# Altium PCB PCB2.PcbDoc (part 2 of 3) (continued)
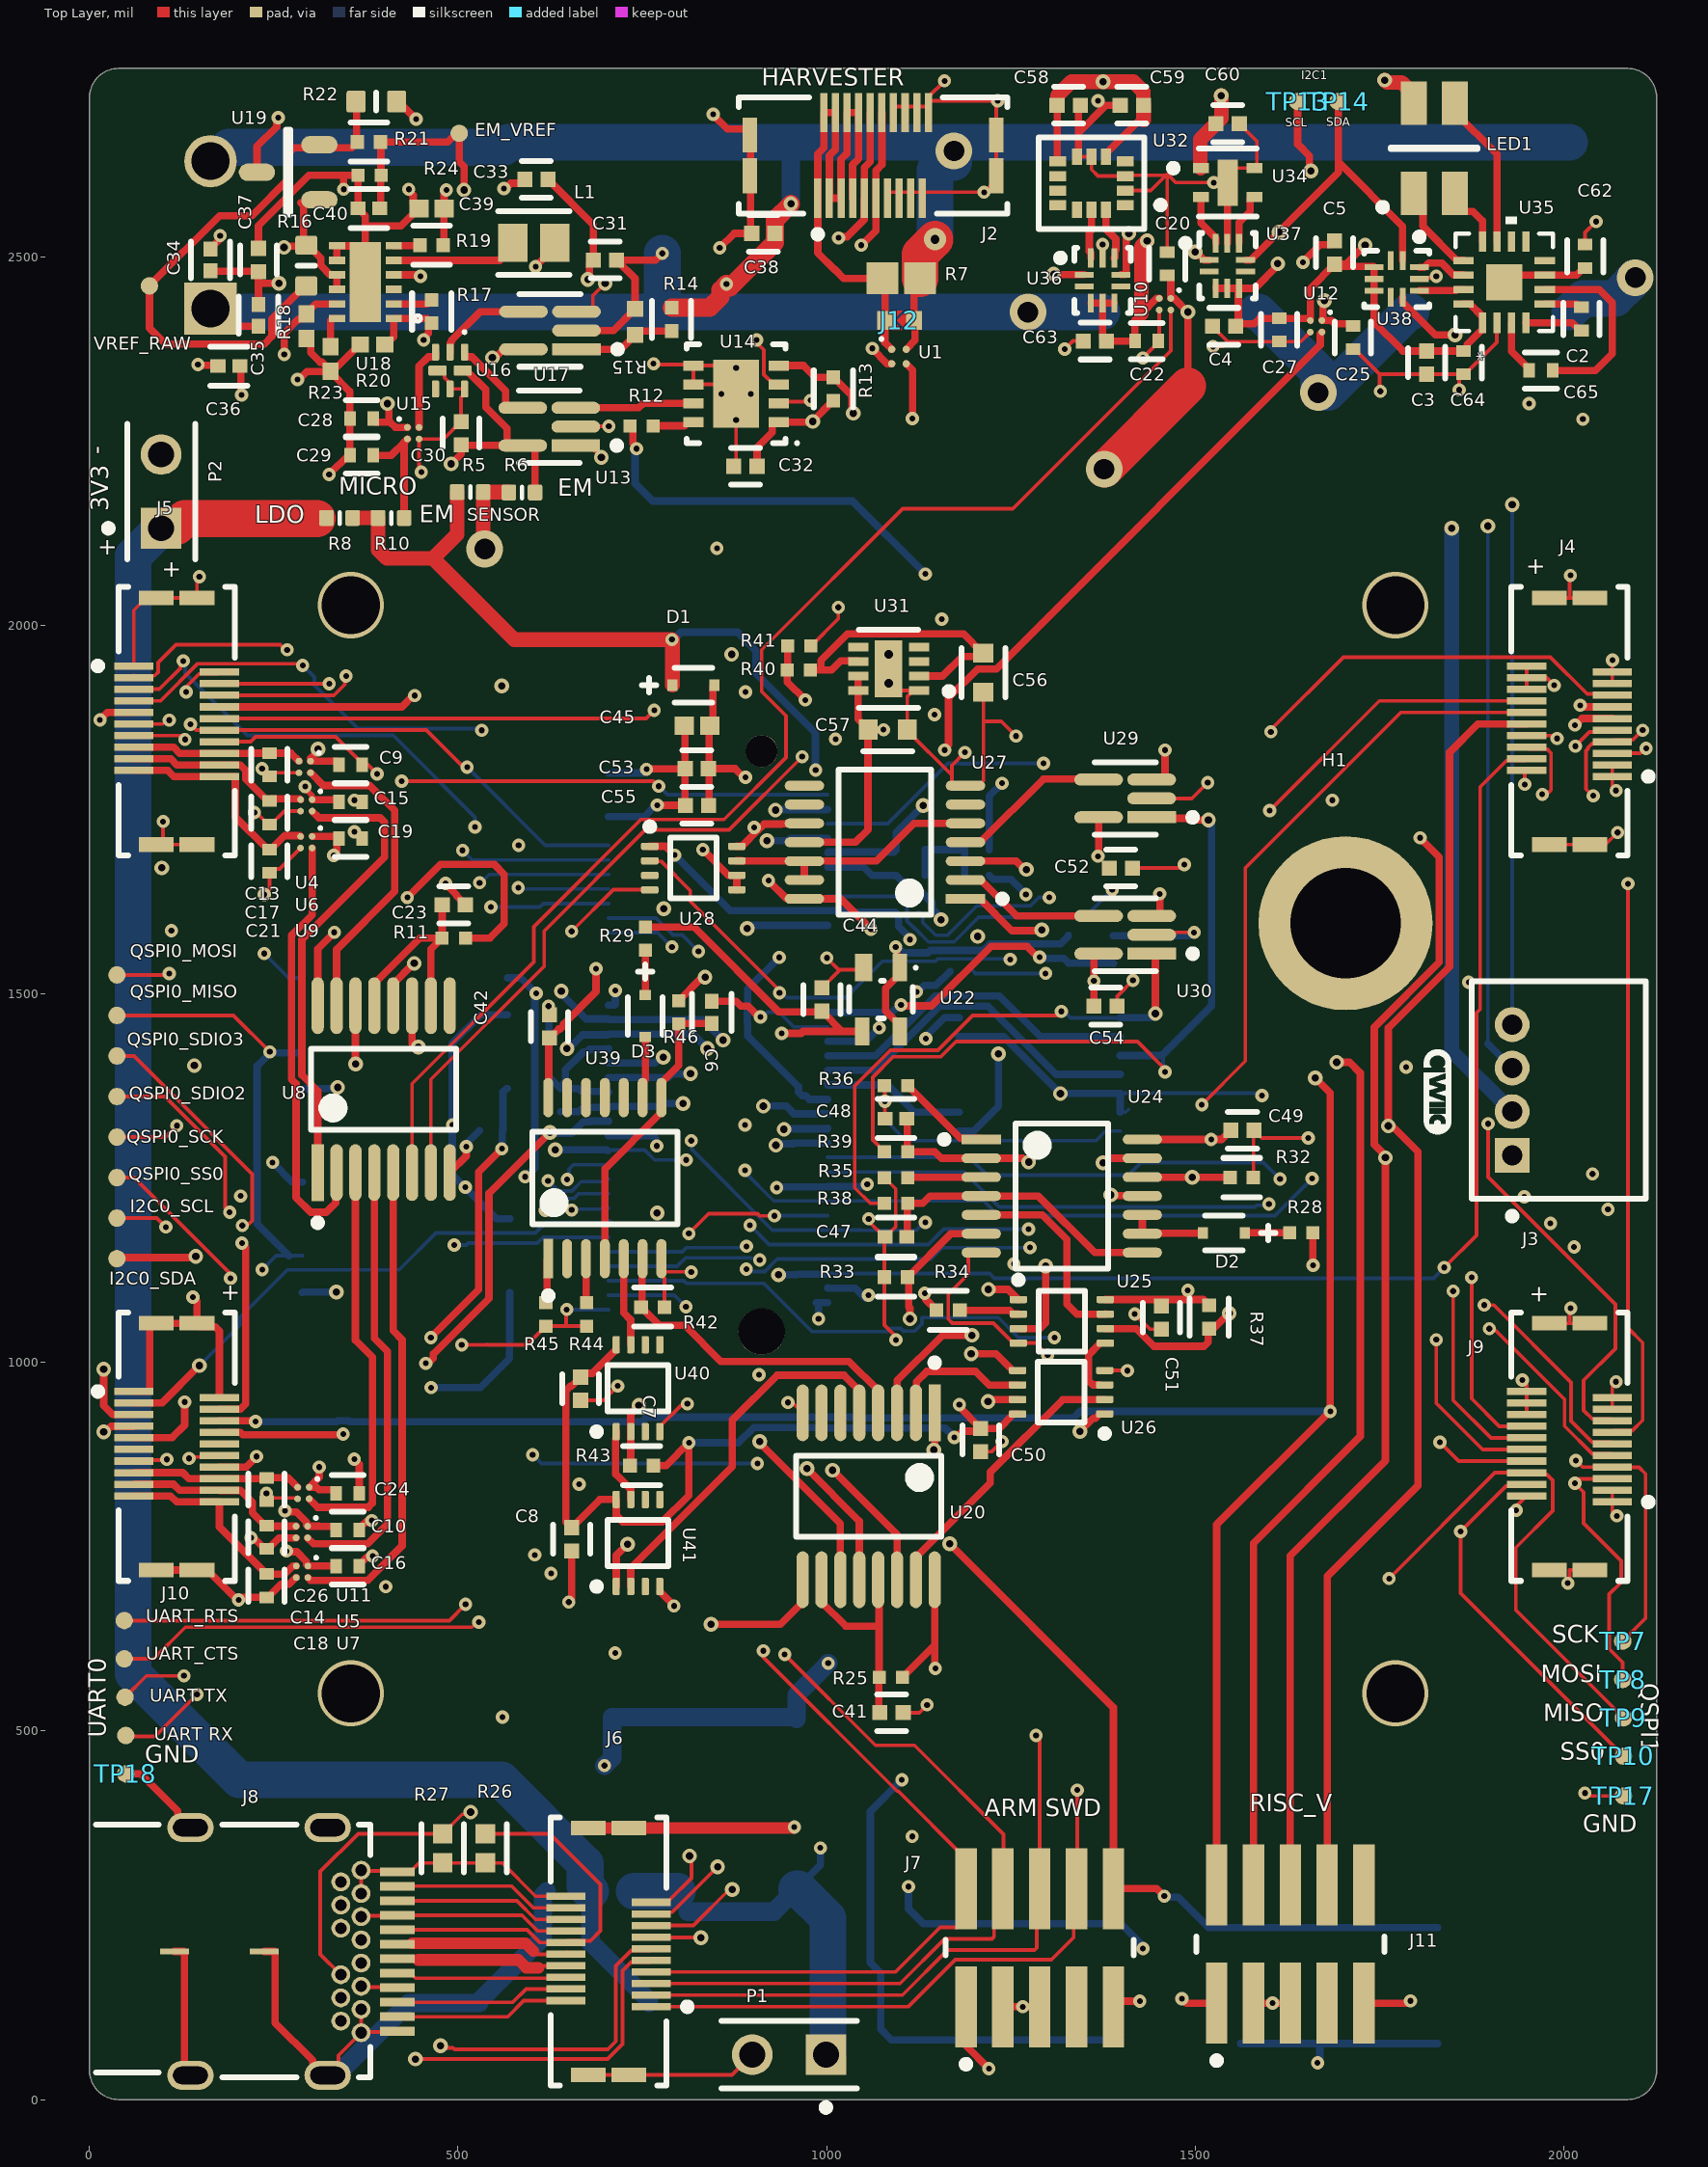
[diagram p0: Top Layer view]
## Nets (pads, with @x,y where several pads share a name; then routed paths per layer and width w, separated by ;. In a path a pad name is that pad's centre, name@x,y a point inside that pad or via, vN(x,y) a via of type N, cw(c..) or ccw(c..) an arc to the next point about the centre after c; other vN are vias at no path point) (continued)
  Top Layer w10: TP18.1@49.09,441.94 69.09,441.94 119.42,391.62 119.42,382.62 132.99,369.05 J8.Shell@136.85,369.05 ; J10.1@60.04,960.83 81.46,960.83 81.54,960.91 81.54,1048.31 86.38,1053.15 J10.21@145.67,1053.15 ; J10.24@90.55,718.5 J10.22@145.67,718.5 159.45,718.5 200.01,677.94 v1(202.09,677.94) 205.6,681.45 C18.1@240.09,681.45 242.06,681.45 259.56,698.94 270.74,698.94 280.07,708.28 U7.B2@280.44,708.28 ; J8.Shell@115.2,200.94 127.76,200.94 128.82,199.88 128.82,40.87 J8.Shell@136.85,32.83 ; v1(140.01,1088.81) 145.67,1083.15 J10.21@145.67,1053.15 ; J13.1@164.09,2429.94 188,2406.04 C35.2@229.09,2406.04 ; C34.2@164.09,2510.85 164.09,2511.69 175.56,2523.16 175.56,2527.41 v1(177.09,2528.94) ; J10.14@176.18,858.07 212.17,858.07 v1(226.58,872.48) ; J10.2@176.18,952.56 176.18,1042.45 170.32,1048.31 150.51,1048.31 J10.21@145.67,1053.15 ; C36.2@204,2351.94 205.09,2350.85 205.09,2314.04 v1(206.19,2312.94) ; v1(219.12,762.39) 220.65,760.86 224.46,760.86 238.13,747.2 C14.1@240.09,747.2 242.06,747.2 257.06,762.2 U5.B2@280.09,762.2 ; U19.3@227.09,2614.94 227.09,2649.94 254.09,2676.94 254.09,2686.94 v1(256.09,2688.94) ; C37.2@229.09,2511.69 229.09,2542.35 297.69,2610.94 344.74,2610.94 ; C35.2@229.2,2405.09 C35.2@233.4,2400.9 ; J8.Shell@237.24,200.94 250.87,200.94 251.93,199.88 251.93,103.98 302.64,53.27 302.64,49.4 319.21,32.83 J8.Shell@323.07,32.83 ; v1(239.93,822.68) 240.09,822.52 C26.1@240.09,812.2 ; v1(282.09,2333.94) 284.26,2333.94 295.07,2344.75 R23.1@326.97,2344.75 ; v1(324.93,2204.96) 350.91,2230.94 C29.1@353.35,2230.94 C28.2@353.35,2280.94 353.35,2317.39 326.97,2343.77 R23.1@326.97,2344.75 ; U18.8@335.59,2495.48 U18.7@335.59,2515.17 341.59,2515.17 341.82,2514.94 357.59,2514.94 U18.13@374.09,2498.44 ; v1(344.74,2591.94) 344.74,2610.94 ; v1(359.09,868.94) 365.84,862.2 C24.2@365.84,822.44 ; C16.2@365.84,723.44 365.84,725.41 376.24,735.81 382.47,735.81 v1(384,737.34) ; C10.2@365.84,772.94 365.84,774.91 375.9,784.97 382.41,784.97 v1(383.05,785.6) ; R20.1@367.36,2380.94 366.38,2380.94 337,2351.56 332.79,2351.56 R23.1@326.97,2345.74 ; U18.13@374.09,2465.94 U18.13@374.09,2498.44 ; R22.1@416.65,2710.94 419.09,2710.94 v1(443.09,2686.94) ; v1(433.06,2591.94) 433.06,2589.78 439.17,2583.67 439.17,2573.15 C39.1@446.38,2565.94 ; C39.1@447.17,2565.94 C39.1@446.38,2565.94 ; v1(483.09,1649.94) 483.09,1649.4 497.58,1634.91 497.58,1633.2 C23.1@509.84,1620.94 ; U8.8@488.66,1257.74 511.09,1280.17 v1(511.09,1292.94) ; v1(562.09,2592.94) 564.26,2592.94 571.37,2600.06 585.21,2600.06 C33.2@590.45,2605.29 ; v1(622.65,1483.63) 623.37,1482.91 623.37,1472.41 C42.2@624.09,1471.69 ; v1(650.09,674.94) 654.09,678.94 C8.2@654.09,744.45 ; U17.2@660.61,2400.35 710.78,2400.35 R15.1@740.09,2429.66 740.09,2470.94 C31.2@715.09,2495.94 768.09,2495.94 v1(777.09,2504.94) ; v1@697.03,454.66 v1(698.57,453.13) ; v1(755.62,1804.98) 756.02,1805.38 C53.2@807.62,1805.38 ; v1(770.31,1756.3) 770.49,1756.12 C55.2@808.17,1756.12 ; U41.4@773.7,689.33 792.87,670.16 v1(792.87,669.72) ; C45.1@806.89,1864.01 807.62,1863.28 C53.2@807.62,1805.38 ; C53.2@808.11,1805.78 807.71,1805.38 C53.2@807.62,1805.38 ; C55.2@808.35,1755.94 C55.2@808.17,1756.12 ; v1(832.09,1695.94) 866.94,1661.1 U28.6@878.15,1661.1 U28.5@878.15,1641.42 ; C6.2@844.09,1490.1 877.1,1490.1 883.7,1483.5 893.31,1483.5 907.93,1468.88 v1(910.09,1468.88) ; v1(846.09,2693.59) 846.09,2692.94 865.54,2673.5 895.67,2673.5 897.01,2672.17 897.01,2533.28 C38.2@898.35,2531.94 874.33,2531.94 v1(854.92,2512.53) ; v1(1062.09,2375.94) 1062.09,2375.11 1082.1,2355.1 U1.B1@1088.25,2355.1 ; J7.3@1239.09,125.94 v1(1266.09,125.94) J7.5@1289.09,125.94 ; U32.7@1339.72,2635.94 1341.61,2637.83 1341.61,2670.65 ; C58.1@1344.09,2705.94 1341.61,2703.46 1341.61,2670.65 ; v1(1368.09,2711.9) 1376.57,2703.42 ; J7.9@1389.09,125.94 1396.68,133.53 v1(1424.91,133.53) ; C59.2@1398.35,2705.94 1379.09,2705.94 1376.57,2703.42 ; v1(1525.09,2600.94) 1535.69,2600.94 1544.09,2609.35 U34.5@1544.09,2600.94 1543.94,2600.8 1543.94,2518.83 U37.10@1543.8,2518.68 ; J11.3@1579.09,130.83 v1(1605.09,130.83) J11.5@1629.09,130.83 ; v1(1646.09,2492.94) 1669.61,2516.46 1683.86,2516.46 C5.2@1689.09,2521.69 ; J11.9@1729.09,130.83 1788.98,130.83 v1(1792.09,133.94) ; R18.1@294.59,2388.72 299.92,2383.39 299.92,2369.9 312.41,2357.41 315.3,2357.41 R23.1@326.97,2345.74 ; R18.1@294.59,2388.72 R18.1@294.09,2389.21 294.09,2388.23 R18.1@294.59,2388.72 ; R23.1@326.97,2344.75 R23.1@326.97,2345.74 ; 344.74,2610.94 R24.1@364.09,2610.94 R24.1@364.09,2610.94 364.14,2565.99 C40.2@364.19,2565.94 365.03,2565.94 369.34,2561.64 369.34,2560.8 374.09,2556.04 374.09,2541.94 ; U18.13@374.09,2498.44 374.09,2541.94 ; 374.09,2541.94 422.38,2541.94 C39.1@446.38,2565.94 ; C53.2@807.62,1805.38 807.62,1756.67 C55.2@808.17,1756.12 ; 1341.61,2670.65 1343.8,2670.65 1376.57,2703.42
  Top Layer w15.75: J6.22@676.54,368.27 J6.24@731.65,368.27 954.63,368.27 v1(956.19,369.83)
  Int1 (GND) w5: v1(811.09,943.94) 903.86,943.94 990.68,1030.76 v1(1094,1030.76) ; v1(889.28,1322.44) 890.78,1320.94 910.68,1320.94 944.29,1354.55 v1(1079.09,1354.55)
  Int1 (GND) w10: v1(770.31,1756.3) v1@772.96,1758.94
  Int2 (PWR) w5: v1(889.28,1322.44) 889.28,1424.28 903.59,1438.6 903.59,1458.86 910.09,1465.36 v1(910.09,1468.88) ; v1(1297.09,1527.94) 1320.97,1527.94 1342.97,1549.94 1384.15,1549.94 v1(1415.62,1518.47) ; v1(1408.24,988.99) 1408.24,1052.57 1418.09,1062.43 v1(1418.09,1065.94) ; v1(1485.17,1675.51) 1485.17,1755.02 v1(1517.09,1786.94) ; v1(1935.64,799.75) 1935.64,964.35 1943.95,972.65 v1(1943.95,976.17)
  Int2 (PWR) w10: v1(622.65,1483.63) 691.78,1483.63 713.09,1504.94 713.17,1504.94 v1(713.24,1504.88)
  Bottom Layer w5: v1(237.09,1554.94) 270.09,1521.94 U42.4@285.78,1521.94 ; v1(504.85,1023.94) 537.57,1023.94 C61.2@538.52,1024.9 ; v1(647.43,1072.01) 647.63,1071.81 703.9,1071.81 J1.75@704.09,1071.61 ; v1(910.09,1468.88) 913.61,1468.88 919.98,1475.24 935.4,1475.24 955.17,1455.47 J1.36@1001.34,1455.47 ; v1(1079.09,1354.55) 1079.09,1329.94 1108.07,1300.97 1365.18,1300.97 1378.39,1314.17 U23.7@1398.36,1314.17 ; R30.1@1124.93,1610.94 1130.41,1605.47 1130.41,1597.3 1148.02,1579.68 1164.1,1579.68 1204.07,1619.65 1276.81,1619.65 1288.11,1630.94 v1(1302.09,1630.94) ; C46.1@1199.09,1530.94 1202.09,1527.94 v1(1297.09,1527.94)
  Bottom Layer w10: v1(248.3,1271.48) 274.88,1244.9 U33.4@288.61,1244.9 ; v1(511.09,1292.94) 512.63,1294.48 512.63,1298.22 C1.2@529.35,1314.94 ; v1(622.65,1483.63) 623.09,1483.18 623.09,1387.69 639.01,1371.78 R31.2@639.09,1371.78 R31.2@639.18,1371.78 ; J1.45@704.09,1366.88 703.19,1367.79 667.38,1367.79 663.4,1371.78 R31.2@639.18,1371.78 ; J1.39@704.09,1425.94 703.19,1425.04 678.58,1425.04 674.7,1421.16 669.86,1421.16 664.58,1415.89 645.7,1397 645.7,1381.85 643.4,1379.55 643.4,1375.99 R31.2@639.18,1371.78 ; J1.33@704.09,1484.99 712.33,1484.99 713.24,1485.9 v1(713.24,1504.88) ; J1.7@704.09,1740.9 752.75,1740.9 768.15,1756.3 v1(770.31,1756.3) ; J1.1@704.09,1799.95 750.6,1799.95 v1(755.62,1804.98) ; v1(1111.09,288.94) 1111.09,258.71 SW1.A'@1131.38,238.43 SW1.A@1399.09,238.43 1429.26,208.26 v1(1429.26,204.73) ; R47.1@1389.09,1578.94 1491.74,1578.94 1496.41,1583.62 v1(1498.58,1583.62) ; SW2.A@1561.38,75.94 1669.09,75.94 ; v1(1666.09,49.94) 1669.09,52.94 1669.09,75.94 ; SW2.A'@1829.09,75.94 1669.09,75.94
  Bottom Layer w25: J8.Shell@323.07,32.83 334.88,32.83 432.99,130.94 C12.2@528.94,130.94 528.94,133.9 615.3,220.26 615.3,277.62 U3.4@620.51,282.83 ; v1(698.57,453.13) 709.09,463.66 U3.5@709.09,519.06 956.14,519.06 C11.2@959.09,516.1 959.09,548.94 v1(1002.09,591.94)
  Bottom Layer w50: J13.1@164.09,2429.94 168.61,2425.43 C73.2@568.22,2425.43 568.38,2425.28 C72.2@768.22,2425.28 C72.2@768.38,2425.43 ; v1(777.09,2504.94) 777.09,2434.15 C72.2@768.38,2425.43 ; C69.2@1373.22,2425.28 v3(1273.22,2425.28) C70.2@1173.22,2425.28 1173.14,2425.35 968.3,2425.35 C71.2@968.22,2425.43 C72.2@768.38,2425.43 ; C68.2@1583.22,2425.43 1586.17,2425.43 1667.09,2344.51 v3(1667.09,2315.94) 1680.28,2315.94 1789.61,2425.27 C67.2@1792.56,2425.27 ; C66.2@2008.22,2425.28 2026.53,2443.58 2069.73,2443.58 2090.09,2463.94 2090.09,2464.94 v3(2097.09,2471.94)
  other v5: 857.48,2314.33 896.85,2314.33 877.17,2349.76
  other v6: 1084.09,1960.94
I2C0_SCL: I2C0_SCL.1 J1.53 J4.12 U42.1 | length 2591
  Top Layer w5: I2C0_SCL.1@37.09,1195.94 91.28,1195.94 v1(103.4,1183.82) ; v1(1509.09,1349.85) 1509.09,1349.94 1568.09,1408.94 1568.09,1670.94 1779.24,1882.09 J4.12@1949.8,1882.09
  Int1 (GND) w5: v1(103.4,1183.82) 100.91,1186.31 100.91,1192.62 100.28,1193.25 100.28,1336.13 131.09,1366.94 326.12,1366.94 332.49,1373.31 v2(336.54,1373.31) ; v1(809.35,1274.85) 811.44,1276.94 879.41,1276.94 940.82,1338.36 1255.04,1338.36 1265.12,1348.44 1507.69,1348.44 v1(1509.09,1349.85)
  Int1 (GND) w10: v2(336.54,1373.31) 337.91,1371.94 528.09,1371.94 615.09,1284.94 617.54,1287.39 630.41,1287.39 v2(631.8,1288.78)
  Bottom Layer w5: J1.53@703.19,1287.24 J1.53@704.09,1288.14 753.32,1288.14 766.61,1274.85 v1(809.35,1274.85)
  Bottom Layer w10: U42.1@285.78,1371.94 335.17,1371.94 v2(336.54,1373.31) ; v2(631.8,1288.78) 632.12,1288.46 701.97,1288.46 J1.53@703.19,1287.24
I2C0_SDA: I2C0_SDA.1 J1.51 J4.13 R13.2 U14.4 | length 3480.6
  Top Layer w10: I2C0_SDA.1@37.09,1140.94 38.59,1142.44 142.59,1142.44 v2(144.09,1143.94) ; U14.4@935.24,2352.72 968.54,2352.72 984.48,2336.78 R13.2@1009.09,2336.78 1009.18,2336.78 1034.18,2311.78 1034.18,2289.86 v2(1036.09,2287.94) ; v1(2022.3,1891.74) 2024.47,1891.74 2026.57,1889.65 2065.87,1889.65 J4.13@2065.94,1889.57
  Int1 (GND) w10: v2(144.09,1143.94) 484.89,1143.94 487.39,1141.44 710.59,1141.44 770.09,1200.94 v2(770.09,1202.94) ; v1(851.09,2104.94) 1328.7,2104.94 1542.6,1891.04 2021.61,1891.04 v1(2022.3,1891.74)
  Int2 (PWR) w10: v1@769.09,1299.77 769.09,1372.43 759.23,1382.3 759.23,1569.21 814.73,1624.71 814.73,1687.86 814.09,1688.49 814.09,1703.4 814.73,1704.03 814.73,1779.09 851.09,1815.45 v1@851.09,2102.94 ; v1(769.48,1293.9) 770.09,1293.29 v2(770.09,1202.94) ; v1@852.09,2103.94 v2(1036.09,2287.94)
  Bottom Layer w10: J1.51@704.09,1307.83 764.24,1307.83 767.95,1304.12 767.95,1295.43 v1(769.48,1293.9)
I2C1_SCL: J1.14 J3.4 J5.10 R2.1 TP13.1 U36.2 U37.2 U38.8 | length 4351.4
  Top Layer w5: J5.10@176.18,1873.82 754.97,1873.82 v1(766.09,1884.94)
  Top Layer w10: v2(1308.09,2476.94) 1309.09,2475.94 U36.2@1349.69,2475.94 ; v2(1499.93,2506.71) 1501.5,2506.71 1512.27,2495.94 U37.2@1519.09,2495.94 ; TP13.1@1639.09,2710.94 1639.09,2653.1 1655.08,2637.11 1655.08,2618.5 v2(1657,2616.59) ; U38.8@1781.36,2445.5 1781.36,2438.67 1825.79,2394.24 v2(1852.82,2394.24)
  Int1 (GND) w5: v1(766.09,1884.94) 963.17,1884.94 964.67,1883.44 977.51,1883.44 979.01,1884.94 1140.44,1884.94 v1(1146.32,1879.07)
  Int1 (GND) w10: v2(1155.09,1600.94) 1183.09,1572.94 1183.09,1555.94 1298.6,1440.44 1905.62,1440.44 1923.71,1458.53 J3.4@1930.1,1458.53 ; v2(1308.09,2476.94) 1470.17,2476.94 v2(1499.93,2506.71)
  Int2 (PWR) w5: v1(1146.32,1879.07) 1128.59,1861.35 1128.59,1787.38 1114.59,1773.38 1114.59,1624.44 1137.59,1601.44 1154.59,1601.44 v2(1155.09,1600.94) ; v2(1499.93,2506.71) 1528.51,2506.71 1657,2635.2 ; v2(1657,2616.59) 1658.09,2615.49 1658.09,2522.94 1786.8,2394.24 v2(1852.82,2394.24) 1873.59,2373.47 1873.59,2220.44 v2(1930.1,2163.94)
  Int2 (PWR) w10: v2(1657,2616.59) 1658.09,2617.69 1658.09,2634.1
  Bottom Layer w5: J3.4@1930.1,1458.53 v2(1930.1,2163.94)
  Bottom Layer w10: J1.14@1001.34,1672 1050.75,1672 1061.81,1660.94 R2.1@1094.41,1660.94 1116.79,1638.56 1128.56,1638.56 1143.14,1623.97 1143.14,1615.6 1155.09,1603.65 v2(1155.09,1600.94)
I2C1_SDA: J1.12 J3.3 J5.11 R3.1 TP14.1 U36.8 U37.8 U38.2 | length 4752.1
  Top Layer w5: J5.11@60.04,1866.34 99.25,1866.34 104.5,1871.59 v1@107.88,1871.59
  Top Layer w10: U36.8@1399.09,2475.94 1405.33,2475.94 1406.39,2477.01 1406.39,2525.54 1410.09,2529.24 v2(1410.09,2531.94) ; U37.8@1568.5,2495.94 1575.32,2495.94 1694.09,2614.72 1694.09,2628.94 ; TP14.1@1694.09,2710.94 1694.09,2628.94 ; U38.2@1781.36,2494.9 1781.36,2541.68 1694.09,2628.94
  Int1 (GND) w5: v1(107.95,1871.52) 127.37,1890.94 270.09,1890.94 338.09,1958.94 401.57,1958.94 445.57,2002.94 1154.09,2002.94 1156.37,2005.22 v1(1156.37,2008.7)
  Int1 (GND) w10: v2(1205.09,1578.18) 1207.01,1576.27 1207.01,1552.03 1304.6,1454.44 1818.09,1454.44 1861.6,1497.94 1948.09,1497.94 1977.09,1468.94 1977.09,1446.46 J3.3@1930.1,1399.47 ; v2(1410.09,2531.94) 1418.01,2531.94 1427.1,2541.04 1442.84,2541.04 1451.94,2531.94 1612.13,2531.94 v2(1613.98,2533.8)
  Int2 (PWR) w5: v2(1131.09,1755.94) 1131.09,1777.15 1137.59,1783.65 1137.59,1839.24 1161.82,1863.46 1161.82,1936.19 1156.37,1941.64 v1(1156.37,2008.7) ; v2(1613.98,2533.8) 1629.88,2533.8 1735.09,2428.59 1735.09,2404.41 1864.59,2274.91 1864.59,2167.44 v2(1897.09,2134.94)
  Int2 (PWR) w10: v2(1131.09,1755.94) 1205.09,1681.94 v2(1205.09,1578.18)
  Bottom Layer w5: 1897.09,1432.48 v2(1897.09,2134.94)
  Bottom Layer w10: J1.12@1001.34,1691.69 1002.25,1692.6 1091.06,1692.6 R3.1@1094.41,1695.94 1094.41,1719.26 v2(1131.09,1755.94) ; 1897.09,1432.48 J3.3@1930.1,1399.47
I2S_CLKEXT: J1.58 J5.3 SW1.B SW1.B' | length 3489.5
  Top Layer w5: J5.3@60.12,1929.41 62.46,1931.75 88.12,1931.75 93.11,1936.75 93.11,1949.96 117.09,1973.94 258.67,1973.94 265.67,1966.94 v1(268.09,1966.94)
  Top Layer w10: J5.3@60.04,1929.33 J5.3@60.12,1929.41
  Int1 (GND) w5: v1(205.09,1225.94) 426.08,1225.94 429.89,1222.13 647.36,1222.13 649.03,1223.8 658.24,1223.8 674.84,1240.4 913.25,1240.4 915.75,1237.9 931.55,1237.9 v1(932.25,1237.21)
  Int1 (GND) w10: v1@931.89,1243.94 931.89,1237.56 v1(932.25,1237.21)
  Int2 (PWR) w5: v1(205.09,1225.94) 205.09,1903.94 v1(268.09,1966.94)
  Int2 (PWR) w10: v1(1055.09,1241.94) 1055.09,1240.87 1038.66,1224.44 1038.66,941.47 1200.09,780.03 1200.09,531.94 v1(1102.09,433.94)
  Bottom Layer w10: v1(932.25,1237.21) 933.11,1238.07 1000.48,1238.07 J1.58@1001.34,1238.93 1049.92,1238.93 1052.93,1241.94 v1(1055.09,1241.94) ; v1(1102.09,433.94) 1059.39,391.24 1059.39,185.73 1073.39,171.73 1073.39,95.63 1088.07,80.94 SW1.B'@1131.38,80.94 SW1.B@1399.09,80.94
I2S_SCK: J1.50 J4.10 J11.8 | length 2650.1
  Top Layer w10: J11.8@1679.09,291.06 1679.09,709.94 1802.09,832.94 1802.09,1285.94 v2@1762.09,1325.94 ; v2(1762.09,1320.95) 1762.09,1454.07 1845.2,1537.18 1845.2,1828.05 1883.49,1866.34 J4.10@1949.8,1866.34
  Int1 (GND) w10: v2(942.17,1316.37) 944.87,1316.37 954.45,1325.94 1354.42,1325.94 1357.78,1322.58 1760.46,1322.58 v2(1762.09,1320.95)
  Bottom Layer w10: v2(942.17,1316.37) 942.82,1317.02 1000.69,1317.02 J1.50@1001.34,1317.67
I2S_SDI: J1.54 J4.14 | length 1581
  Top Layer w5: v1(1601.09,1748.94) 1749.98,1897.83 J4.14@1949.8,1897.83
  Int2 (PWR) w5: v1(1601.09,1748.94) 1571.09,1718.94 1571.09,1292.94 v1(1615.09,1248.94)
  Bottom Layer w5: J1.54@1001.34,1278.3 1193.71,1278.3 1217.57,1254.44 1409.54,1254.44 1426.54,1271.44 1592.59,1271.44 v1(1615.09,1248.94)
I2S_SDO: J1.56 J4.15 | length 1822.2
  Top Layer w5: v1(1602.67,1855.73) 1602.67,1857.37 1602.09,1857.94 1701.09,1956.94 1982.09,1956.94 2031.87,1907.17 2064.09,1907.17 J4.15@2065.94,1905.32
  Int2 (PWR) w5: v1(1600.09,1214.94) 1562.09,1252.94 1562.09,1731.87 1602.67,1772.44 v1(1602.67,1855.73)
  Bottom Layer w5: J1.56@1001.34,1258.61 1186.47,1258.61 1234.13,1210.95 1581.09,1210.95 1583.59,1213.45 1598.6,1213.45 v1(1600.09,1214.94)
I2S_WS: J1.52 J4.11 J11.6 | length 2836.3
  Top Layer w10: J11.6@1629.09,291.06 1629.09,737.94 1758.09,866.94 1758.09,1280.65 1743.09,1295.65 1743.09,1454.87 1831.2,1542.98 1831.2,1685.83 v1(1805.09,1711.94) ; v1(2015.09,1864.94) 2015.77,1864.94 2024.65,1873.82 J4.11@2065.94,1873.82
  Int1 (GND) w10: v2(931.09,1294.94) 1377.96,1294.94 1388.19,1284.72 1618.78,1284.72 1625.55,1277.94 v2(1758.09,1277.94) ; v1(1805.09,1711.94) 1805.09,1839.94 1830.09,1864.94 v1(2015.09,1864.94)
  Bottom Layer w10: v2(931.09,1294.94) 933.01,1296.86 954.71,1296.86 955.83,1297.98 J1.52@1001.34,1297.98
IMU_SCL: U32.13 U36.1 | length 67.6
  Top Layer w10: U36.1@1358.65,2498.68 1358.65,2505.5 1356.39,2507.76 1356.39,2533.1 1359.41,2536.11 U32.13@1359.41,2564.09
IMU_SDA: U32.14 U36.9 | length 71.9
  Top Layer w10: U32.14@1379.09,2564.09 1379.09,2537.75 1392.39,2524.45 1392.39,2509.54 1391.2,2508.35 1391.2,2499.74 U36.9@1390.14,2498.68
INT_ADC0: R38.2 U23.1 U30.1 | length 728.8
  Top Layer w5: R38.2@1078.35,1215.94 1059.17,1215.94 1038.09,1237.02 1038.09,1375.33 1086.6,1423.83 1151.09,1423.83 1198.21,1470.94 1317.09,1470.94 1318.51,1472.36 v1(1318.51,1476.45)
  Top Layer w10: U30.1@1441.03,1554.76 1445.98,1549.81 v2(1445.98,1473.44)
  Bottom Layer w5: v1(1318.51,1476.45) 1322.03,1476.45 1330.76,1467.72 U23.1@1398.36,1467.72
  Bottom Layer w10: U23.1@1398.36,1467.72 1440.25,1467.72 v2(1445.98,1473.44)
INT_ADC1: R39.2 U23.3 U29.1 | length 1051.8
  Top Layer w5: R39.2@1078.35,1285.94 1062.45,1301.84 1062.45,1386.96 1090.32,1414.83 1154.82,1414.83 1175.43,1435.44 1421.61,1435.44 1459.09,1397.96 v1(1459.09,1394.44)
  Top Layer w10: U29.1@1441.03,1739.76 1442.27,1738.52 1489.04,1738.52 1491.53,1736.03 v2(1518.09,1736.03)
  Bottom Layer w5: 1454.69,1416.54 1456.61,1414.61 1456.61,1396.93 v1(1459.09,1394.44)
  Bottom Layer w10: U23.3@1398.36,1416.54 1454.69,1416.54 1522.09,1483.94 1522.09,1732.94 1521.18,1732.94 v2(1518.09,1736.03)
INT_ADC2: R46.2 U23.8 | length 628.9
  Top Layer w10: R46.2@799.09,1490.95 829.09,1520.94 830.39,1520.94 832.39,1522.94 v2(835.09,1522.94)
  Int1 (GND) w10: v2(835.09,1522.94) 1129.09,1522.94 v2(1233.09,1418.94)
  Bottom Layer w10: U23.8@1179.83,1314.17 1199.8,1314.17 1233.09,1347.47 v2(1233.09,1418.94)
LDO_3V3: C12.1 P2.1 R8.1 U3.3 | length 2732.8
  Top Layer w50: P2.1@97.09,2131.94 99.65,2134.5 118.5,2134.5 128.94,2144.94 309.09,2144.94
  Bottom Layer w25: U3.3@679.57,282.83 679.57,213.58 759.25,133.9 C12.1@759.25,130.94
  Bottom Layer w50: P2.1@97.09,2131.94 59.09,2093.94 59.09,577.94 203.09,433.94 558.48,433.94 672.28,320.15 672.28,289.33 678.78,282.83 U3.3@679.57,282.83
LED_SCL: U35.15 U38.9 | length 60.6
  Top Layer w10: U38.9@1804.09,2454.45 1853.85,2454.45 1855.35,2455.94 U35.15@1864.09,2455.94
LED_SDA: U35.14 U38.1 | length 69.2
  Top Layer w10: U38.1@1804.09,2485.94 1810.92,2485.94 1816.92,2491.94 1834.64,2491.94 1850.86,2475.72 1864,2475.72 U35.14@1864.09,2475.63
LOAD1: U4.A2 U8.15 | length 432.9
  Top Layer w10: U4.A2@299.84,1800.2 317.09,1782.94 380.09,1782.94 414.02,1749.02 414.02,1639.33 335.12,1560.42 U8.15@335.12,1484.15
LOAD2: U6.A2 U8.1 | length 634.9
  Top Layer w10: U6.A2@301.97,1748.07 310.96,1739.08 394.17,1739.08 400.02,1733.22 400.02,1685.72 288.09,1573.79 288.09,1389.94 309.53,1368.51 U8.1@309.53,1257.74
LOAD3: U8.2 U9.A2 | length 597
  Top Layer w10: U9.A2@301.97,1698.07 301.97,1607.46 274.09,1579.59 274.09,1384.15 280.09,1378.15 280.09,1223.95 300.09,1203.94 320.95,1203.94 326.81,1209.8 333.86,1216.85 333.86,1256.48 U8.2@335.12,1257.74
LOAD4: U8.3 U11.A2 | length 551.3
  Top Layer w10: U11.A2@297.97,815.07 309.44,803.6 378.24,803.6 384.09,809.46 384.09,1007.03 360.71,1030.41 U8.3@360.71,1257.74
LOAD5: U5.A2 U8.4 | length 607
  Top Layer w10: U5.A2@295.84,762.2 303.94,754.1 377.44,754.1 404.09,780.75 404.09,1015.32 386.3,1033.12 U8.4@386.3,1257.74
LOAD6: U7.A2 U8.5 | length 660.3
  Top Layer w10: U7.A2@296.18,708.28 299.86,704.6 377.44,704.6 424.09,751.25 424.09,1030.94 411.89,1043.15 U8.5@411.89,1257.74
LOAD7: U8.6 U10.A2 | length 1777.9
  Top Layer w5: U8.6@437.48,1257.74 437.48,1378.32 602.72,1543.56 602.72,1591.26 748.17,1736.71 860.86,1736.71 945.02,1820.87 945.02,1877.45 911.88,1910.59 911.88,1967.16 1103.1,2158.37 1252.72,2158.37 1466.97,2372.63 U10.A2@1466.97,2428.07
LOAD8: U8.7 U12.A2 | length 1830.5
  Top Layer w5: U8.7@463.07,1257.74 463.07,1384.11 616.72,1537.76 616.72,1585.46 753.97,1722.71 867.63,1722.71 v1(966.87,1821.94)
  Top Layer w10: v1(1160.09,1830.94) 1160.09,1833.11 1165.33,1838.35 1165.33,1901.41 1204.81,1940.88 1230.26,1940.88 1669.75,2380.37 1669.75,2395.85 U12.A2@1671.97,2398.07
  Int1 (GND) w10: v1(966.87,1821.94) 1151.09,1821.94 v1(1160.09,1830.94)
LOAD_SER: U8.14 U20.9 | length 1434.7
  Top Layer w10: U8.14@360.71,1484.15 360.71,1405.33 v2(361.09,1404.94) ; v2(843.09,644.94) 937.35,644.94 967.52,675.11 U20.9@967.52,705.32
  Int1 (GND) w10: v1(402,695.82) 792.22,695.82 v2(843.09,644.94)
  Int2 (PWR) w10: v2(361.09,1404.94) 402,1364.04 v1(402,695.82)
MICRO_VCC: C1.1 C61.1 D1.1 J1.2 J1.74 R4.1 R5.1 R8.2 R10.2 R11.2 R25.2 U8.16 U20.16 U33.8 U42.8 | length 3274.5
  Top Layer w10: U8.16@309.53,1484.15 309.53,1561.07 v1(332.09,1583.63) ; v1(431.09,1630.94) 476.09,1675.94 549.09,1675.94 562.59,1662.44 562.59,1595.44 543.09,1575.94 R11.2@509.84,1575.94 ; v1(463.09,1033.94) 527.94,1098.79 527.94,1258.67 v1(559.31,1290.04) ; R25.2@1102.84,572.94 1146.66,616.76 ; U20.16@1146.66,705.32 1146.66,616.76 ; v1(1147.48,584.99) 1146.66,585.82 1146.66,616.76
  Top Layer w20: R8.2@356.81,2145.94 R10.2@391.38,2145.94 391.38,2102.66 403.09,2090.94 466.09,2090.94 ; R5.1@498.66,2180.94 498.66,2123.51 466.09,2090.94 ; D1.1@790.67,1919.01 790.67,1980.37 v1(790.09,1980.94) 576.09,1980.94 466.09,2090.94
  Int1 (GND) w10: v1(332.09,1583.63) 383.78,1583.63 v1(431.09,1630.94) ; v1(985.09,1803.94) 1003.09,1785.94 v1(1238.09,1785.94)
  Int2 (PWR) w10: v1(989.09,1059.21) 989.09,971.23 1186.09,774.23 1186.09,729.94 1147.48,691.33 v1(1147.48,584.99)
  Bottom Layer w10: v1(463.52,966.02) 530.17,966.02 569.67,1005.52 569.67,1024.56 C61.1@570.02,1024.9 570.02,1094.81 U33.8@569.93,1094.9 ; v1(559.31,1290.04) 560.08,1290.81 560.08,1314.18 C1.1@560.84,1314.94 560.84,1367.12 565.67,1371.94 U42.8@567.09,1371.94 ; v1(790.09,1980.94) 792.26,1980.94 802.26,1990.94 879.09,1990.94 904.09,1965.95 904.09,1934.94 984.87,1854.17 v1@984.87,1803.94 ; v1(989.09,1059.21) 989.09,1080.55 988.19,1081.45 985.66,1081.45 J1.74@1001.34,1081.45 ; R4.1@1220.83,1695.94 1220.83,1768.68 v1(1238.09,1785.94)
NetC2_1: C2.1 U35.5 | length 51.6
  Top Layer w10: U35.5@1974.41,2436.26 2017.56,2436.26 2022.13,2431.69 C2.1@2024.09,2431.69
NetC2_2: C2.2 U35.4 | length 79.6
  Top Layer w10: U35.4@1948.78,2410.63 2011.69,2410.63 2022.13,2400.2 C2.2@2024.09,2400.2
NetC6_1: C6.1 R46.1 U39.4 U39.8 | length 405.3
  Top Layer w10: U39.4@699.09,1140.93 699.09,1262.72 775.87,1339.49 U39.8@775.87,1359.46 775.87,1379.44 799.52,1403.09 799.52,1459.87 843.67,1459.87 C6.1@844.09,1460.29
NetC23_2: C23.2 R11.1 U8.10 U8.13 | length 290.9
  Top Layer w10: U8.13@386.3,1484.15 386.3,1514.36 447.89,1575.94 R11.1@478.35,1575.94 ; U8.10@463.07,1484.15 463.07,1560.67 R11.1@478.35,1575.94 ; C23.2@478.35,1620.94 R11.1@478.35,1575.94
NetC41_2: C41.2 R25.1 U20.10 U20.13 | length 301.7
  Top Layer w10: U20.10@993.11,705.32 993.11,675.11 1026.08,642.15 1071.14,642.15 ; C41.2@1068.58,528.53 1070.71,530.65 1070.71,576.4 1072.84,578.53 1071.14,580.22 1071.14,642.15 ; U20.13@1069.88,705.32 1071.14,704.07 1071.14,642.15
NetC47_1: C47.1 R38.1 U24.4 U24.8 | length 400.3
  Top Layer w10: C47.1@1109,1170.44 1109.42,1170.87 1109.42,1215.52 R38.1@1109.84,1215.94 1130.09,1215.94 1140.09,1225.94 U24.4@1209.83,1225.94 1287.04,1225.94 1363.82,1149.17 U24.8@1428.36,1149.17
NetC48_1: C48.1 R39.1 U24.2 U24.11 | length 388.8
  Top Layer w10: C48.1@1108.9,1330.94 1109.37,1330.47 1109.37,1286.41 R39.1@1109.84,1285.94 1146.91,1285.94 1155.72,1277.13 U24.2@1209.83,1277.13 1266.21,1277.13 1271.39,1271.94 v2(1274.09,1271.94) ; v2(1385.59,1227.45) 1386.44,1226.6 1427.71,1226.6 U24.11@1428.36,1225.94
  Int1 (GND) w10: v2(1274.09,1271.94) 1341.09,1271.94 v2(1385.59,1227.45)
NetC56_1: C56.1 R40.2 U31.2 U31.6 | length 427.7
  Top Layer w10: R40.2@978.19,1939.5 992.42,1939.5 ; U31.6@1042.76,1951.1 1041.91,1951.94 1019.09,1951.94 1006.65,1939.5 992.42,1939.5 ; U31.2@1125.43,1931.42 1157.36,1931.42 1183.98,1958.03 1207.13,1958.03 1211.77,1962.68 1185.8,1988.65 1028.2,1988.65 992.42,1952.86 992.42,1939.5
NetC62_1: C62.1 U35.7 U35.17 | length 117.9
  Top Layer w10: U35.17@1919.25,2465.79 1929.09,2475.63 U35.7@1974.41,2475.63 2017.56,2475.63 2027.13,2485.2 C62.1@2029.09,2485.2
NetC65_1: C65.1 U35.6 | length 258.9
  Top Layer w10: U35.6@1974.41,2455.94 2048.09,2455.94 2066.09,2437.94 2066.09,2368.94 2043.09,2345.94 C65.1@1984.84,2345.94
NetC65_2: C65.2 U35.3 | length 74.7
  Top Layer w10: U35.3@1929.09,2410.63 1929.09,2372.17 1953.35,2347.91 C65.2@1953.35,2345.94
NetD2_1: D2.1 R28.2 | length 60.7
  Top Layer w10: D2.1@1567.64,1175.94 R28.2@1628.35,1175.94
NetD2_2: D2.2 U24.9 U24.10 | length 108.3
  Top Layer w10: U24.10@1428.36,1200.35 U24.9@1428.36,1174.76 1428.95,1175.35 1509.96,1175.35 D2.2@1510.55,1175.94